# Altium PCB GSMGPSMC60.PcbDoc (continued)
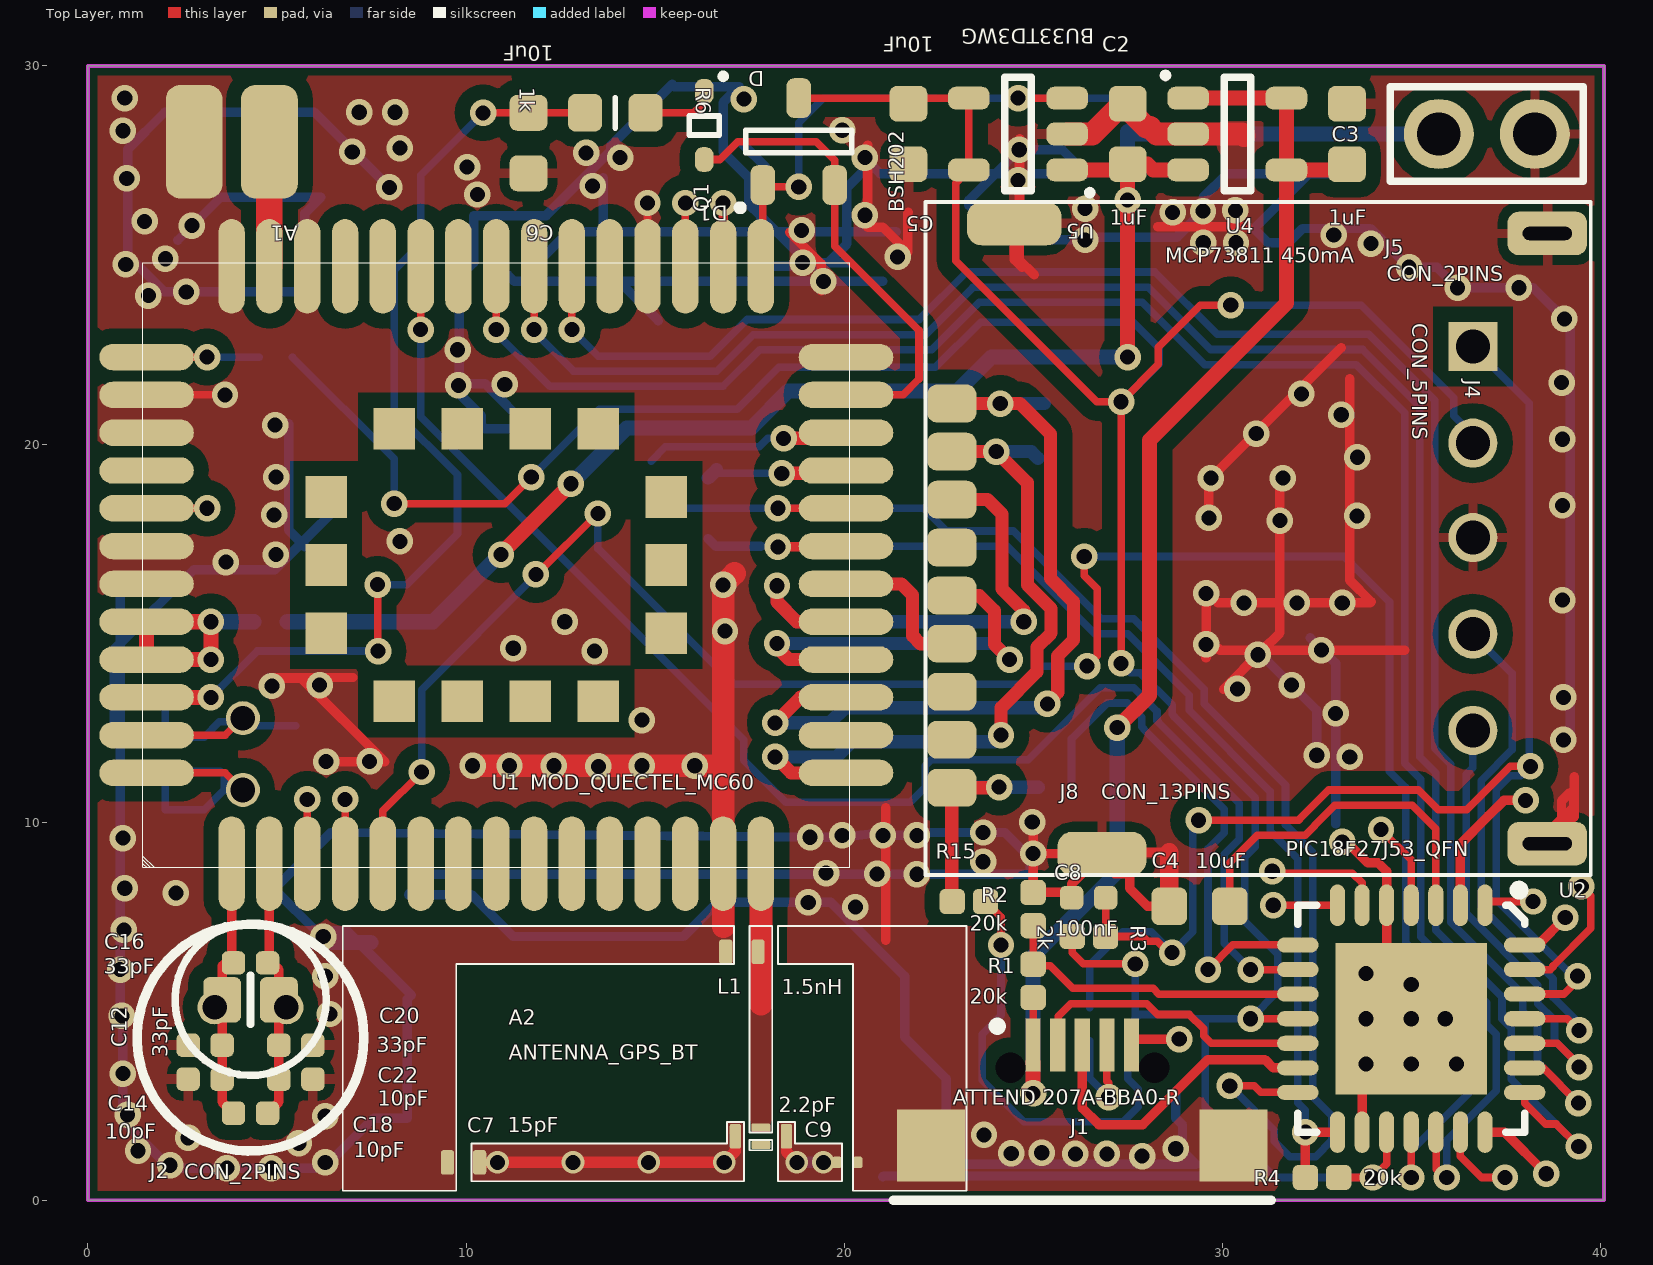
[diagram p0: Top Layer view]
## Footprints (in the part's own frame and the unit in brackets; to place one, negate y for a bottom-side part, rotate by r counter-clockwise, add the part's x,y. Pads: shape width x height; smd on the part's side, far side on the other; paste and mask are expansions set on the pad) (continued)
SMD_CON_MICRO_USB [mm]
  rect 1.4x0.4 smd: 1(0,-1.3) 2(0,-0.65) 3(0,0) 4(0,0.65) 5(0,1.3)
  round 0.7 hole 0.8: 6(0.6,1.9) 9(0.6,-1.9)
  rect 1.9x1.8 smd: 7(2.65,4) 8(2.65,-4)
  silkscreen extent -0.6,-5 4.1,5, body extent -0.1,-4 5.5,4, height 2.7
SMD_LED_LAA67F [mm]
  rrect33% 1.2x3.5 smd mask+0.075: 1(-1.125,0) 2(1.125,0)
  silkscreen extent -2.77,-1.9 2.05,1.9, body extent -2,-1.8 2,1.8, height 4.2
SMD_MOD_MC60 [mm]
  oval 2.5x0.7 smd: 1(-7.9,7) 2(-7.9,6) 3(-7.9,5) 4(-7.9,4) 5(-7.9,3) 6(-7.9,2) 7(-7.9,1) 8(-7.9,0) 9(-7.9,-1) 10(-7.9,-2) 11(-7.9,-3) 12(-7.9,-4) 13(-7.9,-5) 14(-7.9,-6) 15(-7.9,-7) 28(7.9,-7) 29(7.9,-6) 30(7.9,-5) 31(7.9,-4) 32(7.9,-3) 33(7.9,-2) 34(7.9,-1) 35(7.9,0) 36(7.9,1) 37(7.9,2) 38(7.9,3) 39(7.9,4) 40(7.9,5) 41(7.9,6) 42(7.9,7)
  oval 0.7x2.5 smd: 16(-5.5,-9.25) 17(-4.5,-9.25) 18(-3.5,-9.25) 19(-2.5,-9.25) 20(-1.5,-9.25) 21(-0.5,-9.25) 22(0.5,-9.25) 23(1.5,-9.25) 24(2.5,-9.25) 25(3.5,-9.25) 26(4.5,-9.25) 27(5.5,-9.25) 43(5.5,9.25) 44(4.5,9.25) 45(3.5,9.25) 46(2.5,9.25) 47(1.5,9.25) 48(0.5,9.25) 49(-0.5,9.25) 50(-1.5,9.25) 51(-2.5,9.25) 52(-3.5,9.25) 53(-4.5,9.25) 54(-5.5,9.25)
  rect 1.1x1.1 smd: 55(-3.6,2.7) 56(-3.6,0.9) 57(-3.6,-0.9) 58(-3.6,-2.7) 59(-1.8,-4.5) 60(0,-4.5) 61(1.8,-4.5) 62(3.6,-2.7) 63(3.6,-0.9) 64(3.6,0.9) 65(3.6,2.7) 66(1.8,4.5) 67(0,4.5) 68(-1.8,4.5)
  silkscreen extent -8,-9.35 8,9.35, body extent -7.9,-8.85 7.9,8.85, height 2.3
SMD_QFN65P600X600X100-29AN [mm]
  oval 1.1x0.4 smd mask+0.05: 1(-3,1.95) 2(-3,1.3) 3(-3,0.65) 4(-3,0) 5(-3,-0.65) 6(-3,-1.3) 7(-3,-1.95) 15(3,-1.95) 16(3,-1.3) 17(3,-0.65) 18(3,0) 19(3,0.65) 20(3,1.3) 21(3,1.95)
  oval 0.4x1.1 smd mask+0.05: 8(-1.95,-3) 9(-1.3,-3) 10(-0.65,-3) 11(0,-3) 12(0.65,-3) 13(1.3,-3) 14(1.95,-3) 22(1.95,3) 23(1.3,3) 24(0.65,3) 25(0,3) 26(-0.65,3) 27(-1.3,3) 28(-1.95,3)
  rect 4x4 smd paste-0.95 mask+0.05: 29(0,0)
  silkscreen extent -3.52,-3 3,3, body extent -3,-3 3.01,3.01, height 1
SMD_SOD523_SOD1608X65N [mm]
  rrect80% 0.65x0.5 smd mask+0.075: 1(-0.9,0) 2(0.9,0)
  silkscreen extent -1.45,-0.4 0.25,0.65, body extent -0.8,-0.4 0.8,0.4, height 0.7
SMD_SOT23_SOT95P240X120-3N [mm]
  rrect62% 1.05x0.65 smd mask+0.075: 1(-1.15,0.95) 2(-1.15,-0.95) 3(1.15,0)
  silkscreen extent -1.82,-1.4 0.3,1.62, body extent -1.2,-1.45 1.2,1.45, height 1.2
"SMD_SOT26_SOT95P285X140-5N - DLV" [mm]
  rrect67% 1.1x0.6 smd mask+0.075: 1(-1.3,0.95) 2(-1.3,0) 3(-1.3,-0.95) 4(1.3,-0.95) 5(1.3,0.95)
  silkscreen extent -2.05,-1.5 0.35,1.7, body extent -1.5,-1.5 1.5,1.5, height 1.2

## Part data
A1: library part ANTENNA_2
C1 C2 C3 C4 C5 C6 C7 C8 C9 C10 C11 C12 C13 C14 C15 C16 C17 C18 C19 C20 C22: library part C
J1: library part CON_USB_MINI
L1: library part L
Q1: library part TRA000000687
R1 R2 R3 R4 R5 R6 R7 R8 R9 R10 R11 R12 R13 R14 R15: library part R
U2: library part IC_PIC18F27J53_QFN
U4: "MCP73812"
U5: library part IC_BU33TD3WG

## Via types
v1: diameter 0.7, hole 0.4, Top Layer to Bottom Layer, tented both sides, 222 vias
v2: diameter 0.6, hole 0.4, Top Layer to Bottom Layer, tented both sides, 6 vias

## Nets (pads, with @x,y where several pads share a name; then routed paths per layer and width w, separated by ;. In a path a pad name is that pad's centre, name@x,y a point inside that pad or via, vN(x,y) a via of type N, cw(c..) or ccw(c..) an arc to the next point about the centre after c; other vN are vias at no path point)
3.3V: C5.1 J4.2 Q1.3 R3.1 R4.1 R10.2 R15.2 U2.11 U2.17 U5.4 U5.5 | length 105.8
  Top Layer w0.2: v1(8.1,18.425) 11.025,18.425 v1(11.725,19.125) ; Q1.3 21.55,29.15 C5.1 21.85,29.15 U5.4 U5.5 22.95,26.9 22.95,24.844 26.677,21.117 v1(27.325,21.117) ; R15.2 24.15,7.49 v1(24.15,6.75) ; R3.1 26.035,6.54 26.325,6.25 v1(27.7,6.25) ; v1(27.325,14.2) v1(27.325,21.117) ; v1(30.225,23.675) 29.425,23.675 28.313,22.562 28.313,22.104 v1(27.325,21.117) ; v1(30.75,4.8) U2.11 ; R4.1 v1(33.98,0.6) 34.35,0.97 U2.17
  Bottom Layer w0.2: R10.2 8.1,19.61 v1(8.1,18.425) ; v1(11.725,19.125) 13.525,20.925 17.175,20.925 18.275,22.025 22.416,22.025 23.616,23.225 27.65,23.225 28.338,22.537 28.338,22.13 v1(27.325,21.117) ; v1(24.15,6.75) 24.15,4.894 23.65,4.394 23.65,3.175 24.75,2.075 27.383,2.075 27.775,2.467 27.775,2.935 27.5,3.21 27.5,4.6 27.7,4.8 ; v1(27.325,14.2) 27.575,13.95 27.826,13.95 28.675,13.101 28.675,12.85 28.725,12.8 28.725,12.794 30.875,10.644 30.875,9.35 30.6,9.075 30.6,7.375 31.475,6.5 31.475,5.525 v1(30.75,4.8) ; v1(27.7,6.25) 27.7,4.8 ; 29.6,4.8 v1(30.75,4.8) ; v1(30.225,23.675) 33.672,23.675 36.125,21.222 36.125,20.75 36.63,20.245 J4.2 ; v1@30.75,4.75 v1(30.75,4.8) ; v1(33.98,0.6) 31.405,0.6 29.55,2.455 29.55,4.8 29.246,4.8 29.134,4.911 27.811,4.911 27.7,4.8
4.0V: C2.1 J5.2 R9.1 R11.1 U4.3 U5.1 | length 43.6
  Top Layer w0.4: v1(10.925,17.075) 10.925,17.1 v1(12.775,18.95) ; U5.1 27.35,27.25 C2.1@27.497,27.397 ; v1(27.497,22.3) C2.1@27.497,27.397 ; U4.3 28.175,27.25 28.025,27.4 C2.1 C2.1@27.497,27.397
  Bottom Layer w0.4: R11.1 9.125,15.3 10.9,17.075 v1(10.925,17.075) ; v1(12.775,18.95) 14.25,20.425 17.544,20.425 18.519,21.4 23,21.4 23.9,22.3 v1(27.497,22.3) ; v1(27.5,26.45) R9.1 27.56,28.2 J5.2
5.0V: C3.1 J1.1 J1.9 R1.2 U4.1 U4.4 U4.5 | length 35.4
  Top Layer w0.2: J1.1 R1.2
  Top Layer w0.4: v1(25,2.825) J1.1@25,3.65 ; v1(27.225,12.5) 28.075,13.35 28.075,20.1 31.7,23.725 U4.4 ; U4.1 U4.5 U4.4 ; C3.1 33.15,27.25 U4.4
  Bottom Layer w0.4: v1(25,2.825) 25,6.45 27.225,8.675 v1(27.225,12.5)
AUX_RX: R7.2 U1.24 | length 3.8
  Top Layer w0.35: v1(18.35,19.225) 19.925,19.225 20.025,19.325 U1.24
  Bottom Layer w0.2: R7.2@16.625,19.325 16.725,19.225 v1(18.35,19.225)
  Bottom Layer w0.35: R7.2 R7.2@16.625,19.325
AUX_TX: R8.1 U1.25 | length 5.7
  Top Layer w0.35: v1(18.4,20.15) 19.85,20.15 20.025,20.325 U1.25
  Bottom Layer w0.2: R8.1 15.275,19.925 17.751,19.925 17.976,20.15 v1(18.4,20.15) v1@18.207,20.15
B_BT: A2.2 A2.7 C9.1 | length 0.7
  Bottom Layer w0.3: v2(18.75,1) v2(19.45,1)
B_GPS: A2.1 A2.6 C7.2
  other v2: 10.83,1 12.83,1 14.83,1 16.83,1
BT_ANT: U1.32
CD1: 
CD2: 
DBG_RX: U1.30 | length 1.7
  Top Layer w0.2: U1.30 v1(15.8,26.375)
DBG_TX: U1.29 | length 1.7
  Top Layer w0.25: U1.29 v1(16.8,26.375)
DM/D-: J1.2 U2.12 | length 7.8
  Top Layer w0.2: J1.2@25.66,4.1 25.66,4.868 25.992,5.2 28.009,5.2 28.298,4.911 29.134,4.911 29.515,4.53 29.515,4.35 29.715,4.15 U2.12 U2.12@32,4.125
  Top Layer w0.25: J1.2 J1.2@25.66,4.1
DP/D+: J1.3 U2.13 | length 8.3
  Top Layer w0.25: J1.3 26.3,2.438 26.738,2 27.9,2 29.62,3.72 31.13,3.72 31.35,3.5 U2.13
FORCE_ON: U2.2 | length 3.8
  Top Layer w0.25: U2.2 36.3,9.425 37.038,10.162 37.45,10.575 v1(38.025,10.575)
GND: A1.2 A2.5 A2.8 A2.9 C2.2 C3.2 C4.2 C5.2 C6.2 C7.1 C8.2 C9.2 C10.1 C11.1 C12.1 C14.1 C17.2 C19.2 C20.2 C22.2 D3.1 J1.5 J1.6 J1.7 J1.8 J4.3 J5.1 J8.10 J8.11 J8.12 J8.13 L1.1 R2.1 U1.14 U1.27 U1.31 U1.40 U1.42 U1.44 U1.45 U1.48 U1.49 U2.5 U2.16 U2.29 U4.2 U5.2 | length 365.6
  Top Layer w0.2: U1.44 v1(3.625,21.3) ; U1.31 v1(14.8,26.375)
  Top Layer w0.25: v1(6.3,11.6) 7.85,11.6 5.65,13.8 4.8,13.8 4.825,13.825 7.01,13.825 ; v1@18.556,25.6 19.39,24.766 v1@19.39,24.05 ; v1@20.625,27.909 20.625,25.732 21.025,25.732 21.681,25.075 21.681,26.106 21.7,26.125 ; 21.1,6.875 21.1,10.375 ; v1(24.632,27.782) J8.13@24.632,25.962 ; v1@24.645,28.073 24.645,25.975 J8.13@24.632,25.962 ; 24.705,24.675 24.5,24.88 J8.13 J8.13@24.632,25.962 ; R2.1@25,8.1 R2.1 ; v1@25,9.85 v1(25,9.17) ; 25.025,24.483 24.632,24.876 J8.13@24.632,25.962 ; J1.5 27.761,4.261 v1(28.865,4.261) ; 28.3,25.75 30.68,25.75 ; C4.2 28.025,7.775 27.551,8.249 27.551,8.635 27.165,8.635 26.82,8.98 J8.12 ; 28.6,9.2 26.85,9.2 J8.12 ; 29.57,14.347 29.575,14.352 v1(29.575,16.05) ; v1(29.65,18.047) 29.65,19.05 v1(29.699,19.099) 33.15,22.55 ; 29.878,15.8 31.525,15.8 ; v1@29.891,14.6 29.941,14.55 v1@31.07,14.55 ; 30.035,13.515 v1@31.07,14.55 ; v1@31.525,18.803 31.525,15.8 ; v1(33.175,9.475) 33.175,9.595 33.845,8.925 34.125,8.925 34.35,8.7 U2.5 34.35,5.45 v1(35,4.8) 33.7,3.5 U2.16 ; 33.371,21.727 33.371,16.4 33.943,15.828 33.915,15.8 31.525,15.8 ; 34.825,14.55 v1@31.07,14.55 ; J8.10@38.825,9.775 38.975,9.925 38.975,10.082 ; 39.31,11.2 39.31,10.14 39.3,10.13 ; R2.1 v1(25,9.17) ; R2.1 25.876,8.14 C8.2 26.016,8.366 J8.12 ; v1(25,9.17) J8.12 ; v1@31.07,14.55 31.525,15.005 31.525,15.8 ; 38.975,10.082 38.975,10.558 39.2,10.783 39.3,10.683 39.3,10.407 ; 38.975,10.082 39.3,10.407 ; 38.975,10.082 38.6,9.707 J8.10 39.3,10.13 ; 39.3,10.13 39.3,10.407
  Top Layer w0.5: C4.2 28.6,9.2
  Top Layer w0.6: v1(10.175,11.492) 16.8,11.492 ; 16.81,7.23 16.8,7.24 U1.14 16.8,11.492 ; 17.1,16.575 v1(16.8,16.275) 16.8,11.492 ; U5.2 26.561,28.2 27.236,28.875 C2.2@27.5,28.875 ; C2.2 C2.2@27.5,28.875 ; 30.575,28.155 30.53,28.2 U4.2 28.265,28.2 28.09,28.375 28,28.375 C2.2@27.5,28.875
  Bottom Layer w0.25: 0.7,12.18 0.7,14.575 0.85,14.725 ; 0.85,16.225 0.85,14.725 ; 2.375,25.391 3.511,26.527 6.163,26.527 5.74,26.103 5.74,23.925 5.64,24.025 2.025,24.025 1.05,25 1.05,27.794 2.031,28.775 5.989,28.775 v1(7.975,26.789) ; 5.307,20.536 5.307,17.722 5.649,17.379 ; 5.74,17.289 5.649,17.379 ; 6.7,18.925 6.7,18.43 5.649,17.379 ; v1@10.03,21.597 10.503,21.597 11.7,20.4 10.5,20.4 10.4,20.5 10.4,20.752 9.825,21.327 9.825,24.425 10.2,24.8 10.2,26.044 12.119,26.044 13.825,27.75 13.825,27.885 15.45,29.51 15.508,29.452 17.223,29.452 16.8,29.03 16.8,27.725 17.475,27.05 17.475,26.348 17.8,26.023 ; 11.1,24.475 11.275,24.3 14.052,24.3 ; 11.8,24.7 12.719,25.619 13.635,25.619 ; 13.635,27.043 13.635,25.619 ; 15.087,23.265 14.052,24.3 ; 17.3,27.95 17.927,27.323 17.927,26.543 17.8,26.416 17.8,26.023 ; 20.15,24.8 19.58,24.8 ; 21.025,0.619 21.046,0.64 30.2,0.64 ; v1(21.025,9.65) 21.85,9.65 21.925,9.725 v1(23.675,9.725) 24.25,9.725 24.925,9.05 24.925,8.62 v1(21.925,8.62) 9.014,8.62 8.478,8.084 10.141,8.084 11.25,6.975 15.75,6.975 16.65,7.875 19.65,7.875 21.605,5.92 21.605,4.307 22.7,3.212 22.7,1.165 22.915,0.95 29.308,0.95 28.95,1.308 28.95,1.995 28.772,2.173 28.772,2.882 ; v1@21.025,9.725 19.95,9.6 v1(19.1,9.6) 6.425,9.725 4.875,8.175 4.975,8.175 6.025,7.125 6.85,7.125 7.155,6.82 8.55,5.425 8.447,5.322 8.447,2.17 7.559,2.17 6.239,0.85 2.323,0.85 2.248,0.775 0.925,2.098 0.925,5.05 0.85,5.125 0.85,14.725 ; 21.025,24.3 14.052,24.3 ; 21.375,25.619 20.075,25.619 ; v1@30.86,14.6 32.5,12.96 v1(32.5,11.769) ; 32.325,14.875 33,14.2 33,9.95 ; v1@39.2,12.35 39.2,23.158 38.225,24.133 v1(36.226,24.133) 35.684,24.675 v1(34.943,24.675) 33.918,25.7 32.125,25.7 31.75,25.325 31.209,25.325 30.84,25.694 32.296,27.15 ; 0.85,14.725 2.8,16.675 4.945,16.675 5.649,17.379 ; 13.635,25.619 13.635,24.716 14.052,24.3 ; 13.635,25.619 17.8,25.619 ; 17.8,25.619 17.8,26.023 ; 17.8,25.619 17.8,24.7 19.48,24.7 19.58,24.8 ; 17.8,25.619 18.204,25.619 ; 17.8,26.023 18.204,25.619 ; 18.204,25.619 19.023,24.8 19.58,24.8 ; 18.204,25.619 20.075,25.619 ; 19.58,24.8 20.075,25.295 20.075,25.619 ; 20.075,25.619 20.075,26.787 20.7,27.412 20.962,27.15 24,27.15 ; 24,27.15 26.4,27.15 25.768,27.782 v1(24.632,27.782) 24,27.15 ; 24,27.15 23.3,26.45 23.3,26.321 24.221,25.4 v1(26.375,25.4) 26.45,25.475 28.806,25.475 v1(29.492,26.162) 29.492,26.517 30.125,27.15 32.296,27.15 ; 32.296,27.15 33.05,27.15 33.15,27.25 32.396,27.25 32.296,27.15
  Bottom Layer w0.4: v1@5.91,6.82 7.155,6.82 7.48,6.82
  other v1: 3.675,0.85 4.85,0.85 2.175,0.925 6.275,1 27.884,1.165 26.12,1.225 26.95,1.225 24.42,1.237 25.227,1.255 1.324,1.306 28.772,1.36 5.575,1.5 2.65,1.65 23.7,1.725 6.275,2.225 1.05,2.26 0.925,3.35 33.8,3.6 35,3.6 36.2,3.6 33.8,4.8 35.9,4.8 0.9,4.875 6.4,4.925 35,5.7 6.275,5.927 33.8,6 0.85,6.1 6.225,6.97 0.95,7.15 20.3,7.75 19.05,7.875 2.325,8.125 0.975,8.25 20.874,8.63 19.525,8.65 23.675,8.95 0.925,9.575 19.95,9.65 21.925,9.65 24.975,10 11.15,11.492 12.325,11.492 13.5,11.475 14.65,11.492 16.05,11.492 7.45,11.605 33.375,11.725 39.025,12.175 14.65,12.699 33,12.875 39.025,13.3 30.4,13.525 4.865,13.6 6.125,13.625 31.835,13.625 30.945,14.425 13.4,14.525 32.625,14.55 11.25,14.6 29.575,14.7 16.85,15.05 12.61,15.3 30.575,15.8 31.975,15.8 33.175,15.8 39,15.872 3.65,16.875 4.97,17.075 8.25,17.425 31.525,17.975 33.57,18.1 4.925,18.125 39,18.375 31.606,19.099 4.975,19.125 33.575,19.65 39,20.125 30.9,20.275 4.95,20.5 33.15,20.775 32.095,21.325 9.8,21.55 11.025,21.575 38.975,21.625 9.775,22.494 39.05,23.308 1.6,23.925 2.6,24.025 37.849,24.133 19.45,24.3 1,24.75 18.9,24.8 2.05,24.9 21.415,24.95 33.932,25.3 29.5,25.325 30.365,25.325 32.95,25.528 18.875,25.65 2.75,25.777 1.5,25.888 20.55,26.05 28.687,26.125 30.35,26.179 26.375,26.225 10.3,26.6 13.35,26.825 24.6,26.975 1.025,27.025 10.03,27.325 14.075,27.575 20.55,27.575 13.175,27.7 6.991,27.725 8.25,27.825 0.925,28.285 19.95,28.3 7.175,28.775 8.125,28.775 17.35,29.125 0.975,29.15
GNSS_ANT: A2.4 A2.10 L1.2 U1.15 | length 3.7
  Top Layer w0.6: 17.8,5.19 U1.15
GNSS_VCC_EN: Q1.1 R5.1 U1.28 | length 8.6
  Top Layer w0.2: U1.28 17.85,24.75 Q1.1 17.9,26.8 v1(18.8,26.8)
  Bottom Layer w0.2: v1@18.8,26.9 18.8,28.5 19.45,29.15 R5.1
GPS_RST: U2.27 | length 3.4
  Top Layer w0.2: U2.27 38.67,6.1 38.75,6.18 38.75,6.194 39.75,7.194 39.75,8.05 v1(39.5,8.3)
GPS_RX: R8.2 U1.23 U2.14 | length 37.5
  Top Layer w0.2: v1(18.25,18.3) U1.23 ; v1(30.2,3.025) 30.85,3.025 31.025,2.85 U2.14
  Bottom Layer w0.2: 14.89,18.5 15.09,18.3 18.15,18.3 22.1,18.3 22.7,17.7 24.475,17.7 26.798,15.378 27.662,15.378 29.525,13.515 29.525,13.125 31.675,10.975 31.675,9.925 32.4,9.2 32.4,2.74 32.9,2.24 32.9,1.58 32.469,1.149 31.786,1.149 31.375,1.56 31.375,1.85 v1(30.2,3.025)
GPS_RX_L76: U2.20 | length 2.1
  Top Layer w0.2: U2.20 36.3,1.16 36.86,0.6 v1(37.48,0.6)
GPS_TX: R4.2 R7.1 U1.22 U2.15 | length 31.1
  Top Layer w0.25: v1(18.25,17.279) 20.029,17.279 U1.22 ; R4.2 v1(32.2,1.799) 32.201,1.8 U2.15
  Bottom Layer w0.2: 17.79,17.3 24.309,17.3 26.632,14.978 27.497,14.978 29.125,13.349 29.125,12.959 31.275,10.809 31.275,9.759 32,9.034 32,2.574 32.2,2.374 v1(32.2,1.799)
  Bottom Layer w0.25: R7.1 16.6,17.3 17.79,17.3
GPS_TX_L76: U2.21 | length 2.1
  Top Layer w0.25: U2.21 37.47,1.8 v1(38.57,0.7)
GPS_VDD: D1.2 Q1.2 U1.26 | length 12.7
  Top Layer w0.2: D1.2 16.715,27.525 17.19,28 19.26,28 19.75,27.51 Q1.2 19.75,25.234 21.98,23.004 21.98,21.72 21.56,21.3 U1.26
GSM_DTR: R13.1 U1.37 U2.9 | length 39.3
  Top Layer w0.2: v1(8.8,23.025) U1.37 ; v1(30.75,6.1) U2.9
  Bottom Layer w0.2: v1(8.8,23.025) 8.8,20.725 17.35,12.175 17.35,11.631 18.456,10.525 21.751,10.525 R13.1 22.151,11.492 22.309,11.65 24.869,11.65 26.769,13.55 27.66,13.55 28.275,12.935 28.275,12.684 28.325,12.634 28.325,12.628 30.45,10.503 30.45,9.55 30.05,9.15 30.05,6.8 v1(30.75,6.1)
GSM_PWRKEY: U1.5 U2.18 | length 57.2
  Top Layer w0.2: U1.5 7.8,10.3 v1(8.825,11.325) ; v1(11.85,16.55) 11.875,16.55 v1(13.488,18.162) ; v1(26.35,17.025) 26.35,16.52 26.7,16.17 26.7,14.4 v1(26.425,14.125) v1@26.425,14.244 ; v1(35,0.6) U2.18
  Bottom Layer w0.2: v1(8.825,11.325) 8.825,13.5 11.85,16.525 v1(11.85,16.55) ; v1(13.488,18.162) 13.488,17.237 17.075,13.65 24.725,13.65 25.2,14.125 v1(26.425,14.125) ; v1(26.35,17.025) 33.228,17.025 34.425,15.828 34.425,11.34 34.85,10.915 34.85,6.806 36.6,5.056 36.6,4.469 36.85,4.219 36.85,3.16 35,1.31 v1(35,0.6)
GSM_RI: U1.35 U2.19 | length 51.6
  Top Layer w0.2: v1(10.8,23.025) U1.35 ; v1@35.665,0.815 U2.19@35.665,1.775 ; v1@35.675,0.815 v1@35.91,0.58
  Top Layer w0.25: U2.19 U2.19@35.675,1.775 ; v1@35.91,0.58 v1@35.94,0.58
  Bottom Layer w0.2: v1(10.8,23.025) 10.8,22.935 12.21,21.525 16.797,21.525 17.766,22.494 22.319,22.494 23.575,23.75 27.884,23.75 29.534,22.1 33.55,22.1 34.825,20.825 34.825,11.559 35.25,11.134 35.25,6.971 37,5.221 37,4.634 37.25,4.384 37.25,2.89 35.94,1.58 v1(35.94,0.6)
GSM_RX: U1.34 U2.22 | length 51.3
  Top Layer w0.2: v1(11.8,23.025) U1.34 ; U2.22 38,2.57 38.555,2.015 38.835,2.015 v1(39.43,1.42)
  Bottom Layer w0.2: v1(11.8,23.025) 11.8,22.968 12.843,21.925 16.631,21.925 17.6,22.894 22.153,22.894 23.409,24.15 28.049,24.15 29.699,22.5 33.716,22.5 35.225,20.991 35.225,11.725 35.65,11.3 35.65,7.137 37.4,5.387 37.4,4.8 37.65,4.55 37.65,3.2 v1(39.43,1.42)
GSM_TX: U1.33 U2.23 | length 49.1
  Top Layer w0.2: v1@12.8,23.005 U1.33 ; U2.23 38.49,3.5 v1(39.42,2.57)
  Bottom Layer w0.2: v1@12.8,23.005 v1(12.8,23.025) 13.5,22.325 16.465,22.325 17.434,23.294 21.988,23.294 23.244,24.55 28.215,24.55 29.865,22.9 33.881,22.9 35.625,21.156 35.625,11.95 36.05,11.525 36.05,7.35 37.95,5.45 37.95,5 38.34,4.61 38.34,3.65 v1(39.42,2.57)
GSM_VDD: R11.2 U1.50 U1.51 | length 6.5
  Top Layer w0.4: U1.51 v1(3.25,14.3) v1(3.25,15.3) U1.50 U1.51
  Bottom Layer w0.4: v1(3.25,15.3) R11.2
LOUDSPKN: C13.2 C15.2 C17.1 C19.1 J3.2 U1.53 | length 7.5
  Top Layer w0.2: U1.53 3.625,12.3 J3.2@4.075,12.75
  Bottom Layer w0.2: C19.1 C13.2 C15.2 3.475,12.65 4.075,12.65 4.075,12.75 4.275,12.55 C17.1
LOUDSPKP: C10.2 C11.2 C13.1 C15.1 J3.1 U1.54 | length 8.7
  Top Layer w0.2: U1.54 3.625,11.3 J3.1@4.075,10.85
  Bottom Layer w0.2: J3.1@4.075,10.85 3.6,10.85 ; J3.1@4.275,11.05 3.8,11.05 3.6,10.85 ; 3.6,10.85 3.6,11.25 3.5,11.35 C15.1 C13.1 C10.2 C11.2 3.6,10.85
MCLR: C8.1 J4.1 R3.2 R12.2 U2.26 | length 41
  Top Layer w0.2: C8.1@26.918,7.999 26.915,7.999 R3.2 27.9,6.975 28.025,6.85 28.284,6.85 28.675,6.459 v1(28.675,6.55) ; v1(29.375,10.05) 32.026,10.05 32.05,10.074 32.05,10.085 32.815,10.85 35.191,10.85 35.716,10.325 36.467,10.325 37.617,11.475 v1(38.15,11.475) ; U2.26 38.003,5.453 39.033,5.453 39.4,5.82 v1(39.4,5.925)
  Bottom Layer w0.2: R12.2 26.5,6.23 27.37,7.1 28.125,7.1 v1(28.675,6.55) 29.225,7.1 29.225,9.9 v1(29.375,10.05) ; J4.1 38.125,21.08 38.125,11.45 37.9,11.225 37.625,11.225 37.25,10.85 37.25,7.95 39.275,5.925 v1(39.4,5.925)
MICN: C16.2 C18.2 C20.1 C22.1 J2.2 U1.2 | length 6.9
  Top Layer w0.25: C18.2 5.05,2.6 C22.1 C20.1 5.05,5.3 5.05,6.1 4.75,6.4 4.8,6.45 U1.2
MICP: C12.2 C14.2 C16.1 C18.1 J2.1 U1.1 | length 6.8
  Top Layer w0.25: U1.1 3.8,6.45 3.55,6.2 3.55,5.3 C12.2 C14.2 3.55,2.6 C18.1
NetD1_1: D1.1 R6.2 | length 2.1
  Top Layer w0.2: R6.2 16.025,28.76 ; 16.15,28.76 16.025,28.76 ; D1.1 16.3,29.035 16.025,28.76
NetD3_2: D3.2 U1.47 | length 1.6
  Top Layer w0.2: U1.47 v1(3.15,18.3)
NetJ1_4: J1.4 R12.1 | length 3.1
  Top Layer w0.2: J1.4 26.95,3.15 27,3.1 v1(27,2.725)
  Bottom Layer w0.2: R12.1 26.5,3.225 v1(27,2.725)
PGC: J4.5 U2.24 | length 11.9
  Top Layer w0.2: U2.24 38.861,4.15 v1@39.465,3.545
  Bottom Layer w0.2: J4.5 36.63,11.441 36.45,11.261 36.45,7.585 38.35,5.685 38.35,5.199 38.79,4.759 38.79,4.221 39.44,3.571 v1(39.44,3.52)
PGD: J4.4 U2.25 | length 13.9
  Top Layer w0.2: U2.25 39.13,4.8 v1(39.44,4.49)
  Bottom Layer w0.2: J4.4 37.675,13.93 37.675,11.921 36.85,11.096 36.85,7.751 38.75,5.851 38.75,5.364 39.44,4.674 v1(39.44,4.49)
RA2: U2.1 | length 1.3
  Top Layer w0.2: U2.1 37.05,7.9 v1(38.225,7.9)
RA5: U2.4 | length 2.3
  Top Layer w0.2: v1(34.2,9.8) 35,9 U2.4
RA6: U2.7 | length 2.2
  Top Layer w0.2: v1(31.35,7.8) 31.35,7.875 31.375,7.9 31.475,7.8 U2.7 U2.7@33.05,8.13
RA7: U2.6 | length 3.4
  Top Layer w0.2: v1(31.325,8.7) 31.325,8.925 31.6,8.65 33.44,8.65 33.7,8.39 U2.6
RC0: R14.1 U2.8 | length 14.1
  Top Layer w0.2: v1(29.625,6.1) 30.28,6.755 31.995,6.755 U2.8
  Bottom Layer w0.2: R14.1 26.015,12.209 26.956,13.15 27.494,13.15 27.875,12.769 27.875,12.519 27.925,12.469 27.925,12.462 30.05,10.337 30.05,9.716 29.625,9.291 v1(29.625,6.1)
RF_ANT: A1.1 U1.41 | length 3.3
  Top Layer w0.7: U1.41 A1.1
SD_CD: 
SD_CD/DAT3: 
SD_CLK: U1.8
SD_CMD: U1.7
SD_DAT0: U1.9
SD_DAT1: 
SD_DAT2: 
SD_VDD: 
SD_VSS: 
SIM2_CLK: U1.10
SIM2_IO: U1.11
SIM2_RST: U1.12
SIM2_VDD: U1.13
SIM_CD: J8.9 R13.2 R14.2 R15.1 | length 6.5
  Top Layer w0.2: R15.1 R15.1@22.86,8.026
  Top Layer w0.35: R15.1 22.85,7.91 J8.9 24.085,10.91 v1(24.1,10.925)
  Bottom Layer w0.35: R13.2 R14.2
SIM_CLK: J8.3 U1.19 | length 11.8
  Top Layer w0.35: v1(18.225,14.725) 18.125,14.725 18.55,14.3 U1.19 ; J8.3@23.375,15.99 J8.3 23.577,15.99 23.975,15.592 23.975,14.7 v1(24.375,14.3)
  Bottom Layer w0.35: v1(18.225,14.725) 23.95,14.725 v1(24.375,14.3)
SIM_GND: C1.2 J8.5 U1.16 | length 19.3
  Top Layer w0.35: v1(18.175,11.725) 18.6,11.3 U1.16 ; J8.5 v1(24.025,19.8) 24.85,18.975 24.85,16.272 25.475,15.647 25.475,15 25.1,14.625 25.1,13.975 24.15,13.025 v1(24.15,12.3)
  Bottom Layer w0.35: v1(18.175,11.725) 19.8,11.725 20.2,12.125 23.975,12.125 v1(24.15,12.3) ; v1(24.025,19.8) 24.95,19.8 C1.2
SIM_IO: J8.7 U1.21 | length 4.1
  Top Layer w0.35: U1.21 21.51,16.3 21.81,16 21.81,14.93 22.02,14.72 J8.7
SIM_RST: J8.2 U1.20 | length 14.2
  Top Layer w0.35: v1(18.225,16.25) 18.225,15.825 18.75,15.3 U1.20 ; J8.2 23.795,18.53 24.175,18.15 24.175,16.169 24.75,15.594 v1(24.75,15.3)
  Bottom Layer w0.35: v1(18.225,16.25) 18.225,15.825 18.75,15.3 v1(24.75,15.3)
SIM_VDD: C1.1 J8.1 U1.18 | length 21.2
  Top Layer w0.35: v1(18.175,12.625) 18.85,13.3 U1.18 ; J8.1 v1(24.13,21.07) 24.655,21.07 25.456,20.269 25.456,16.444 26.066,15.834 26.066,14.813 25.65,14.397 25.65,13.425 v1(25.375,13.125)
  Bottom Layer w0.35: v1(18.175,12.625) 19.625,12.625 20.025,13.025 25.275,13.025 v1(25.375,13.125) ; v1@24.29,21.07 C1.1@25.296,21.07
SIM_VPP: J8.6
SPKN: U1.4 | length 1.7
  Top Layer w0.2: U1.4 v1(6.8,10.6)
SPKP: U1.3 | length 1.7
  Top Layer w0.2: U1.3 v1(5.8,10.6)
STBY_3.3V: R5.2 R9.2 U5.3 | length 5.5
  Top Layer w0.2: v1(24.6,29.15) U5.3
  Bottom Layer w0.2: R5.2@23.3,29.15 v1(24.6,29.15) 27.49,29.15 R9.2
TEST: U2.28 | length 1.4
  Top Layer w0.25: U2.28 38.35,6.75 v1(39.075,7.475)
USB_SENSE: R1.1 R2.2 U2.10 | length 8.3
  Top Layer w0.2: R1.1@25,6.2 25.45,6.2 26.05,5.6 28.175,5.6 28.325,5.45 U2.10 ; R1.1 R2.2
VCAP: C4.1 U2.3 | length 9.5
  Top Layer w0.2: C4.1 30.2,8.925 30.925,9.65 32.192,9.65 32.45,9.908 32.45,9.919 32.981,10.45 35.025,10.45 35.65,9.825 U2.3
VDD_EXT: R10.1 U1.43 | length 3
  Top Layer w0.2: U1.43 v1(3.15,22.3)
  Bottom Layer w0.2: v1(3.15,22.3) R10.1
VRTC: C6.1 R6.1 U1.52 | length 26.6
  Top Layer w0.2: v1(7.66,16.282) 7.66,14.54 v1(7.675,14.525) ; v1(10.45,28.76) C6.1 R6.1
  Top Layer w0.4: U1.52 v1(3.25,13.3)
  Bottom Layer w0.2: v1(3.25,13.3) 4.475,14.525 v1(7.675,14.525) ; v1(7.66,16.282) 8.432,16.282 9.775,17.625 9.775,19.184 8.1,20.859 8.1,24.595 8.8,25.295 8.8,27.11 v1(10.45,28.76)
pads on no net: A2.3 J8.4 J8.8 U1.6 U1.17 U1.36 U1.38 U1.39 U1.46 U1.55 U1.56 U1.57 U1.58 U1.59 U1.60 U1.61 U1.62 U1.63 U1.64 U1.65 U1.66 U1.67 U1.68

## Polygon pours and split planes (outlines as drawn)
GND on Top Layer "ANT_GND" (solid, remove dead copper, pour order 37): 18.5,7.25 18.5,6.25 20.24,6.25 20.24,0.25 23.45,0.25 23.45,7.25
GND on Top Layer "ANT_GND" (solid, remove dead copper, pour order 35): 9.74,0.25 9.74,6.25 17.09,6.25 17.09,7.25 6.74,7.25 6.74,0.25
B_BT on Top Layer "BT" (solid, remove dead copper, pour order 24): 18.25,2.07 18.7,2.07 18.7,1.5 19.94,1.5 19.94,0.5 18.25,0.5
GNSS_ANT on Top Layer "GPS_ANT" (solid, remove dead copper, pour order 28): 17.5,1.79 18.1,1.79 18.1,7.25 17.5,7.25 17.5,1.79
GND on Top Layer "GND" (solid, remove dead copper, pour order 31): 6.74,7.25 23.24,7.25 23.24,0 40.1,0 40.1,30 0,30 0,0 6.74,0
B_GPS on Top Layer "GPS" (solid, remove dead copper, pour order 26): 10.14,0.5 17.35,0.5 17.35,2.07 16.9,2.07 16.9,1.5 10.14,1.5
GND on Bottom Layer "GND_ANT" (solid, remove dead copper, pour order 30): 23.24,0.25 23.24,7.25 6.74,7.25 6.74,0.25 9.74,0.25 9.74,6.25 20.24,6.25 20.24,0.25
GND on Bottom Layer "GND" (solid, remove dead copper, pour order 32): 6.74,7.25 23.24,7.25 23.24,0 40.1,0 40.1,30 0,30 0,0 6.74,0
B_BT on Bottom Layer "BT" (solid, pour order 25): 18.25,0.5 20.04,0.5 20.04,1.5 18.25,1.5
B_GPS on Bottom Layer "GPS" (solid, remove dead copper, pour order 27): 17.35,1.5 17.35,0.5 9.99,0.5 9.99,1.5

## Keep-outs
Keep-Out Layer:
  the board outline again, w0.1

## Text inside footprints (layer, text, board x,y; h text height)
J5: Mechanical 3 "1" at 39.31,29.15 h0.5 r180